# Altium PCB NG2093.PcbDoc (part 2 of 8)
Units mm, origin at the board's own origin, x right, y up, seen from the top; angles counter-clockwise.
Board outline 125 x 63 mm, 6 copper layers (Top Copper, Signal Layer 1, Signal Layer 2, Signal Layer 3, Signal Layer 4, Bottom Copper), stack 1.579 mm thick; 379 components, 295 nets, 1557 pads, 1142 vias.
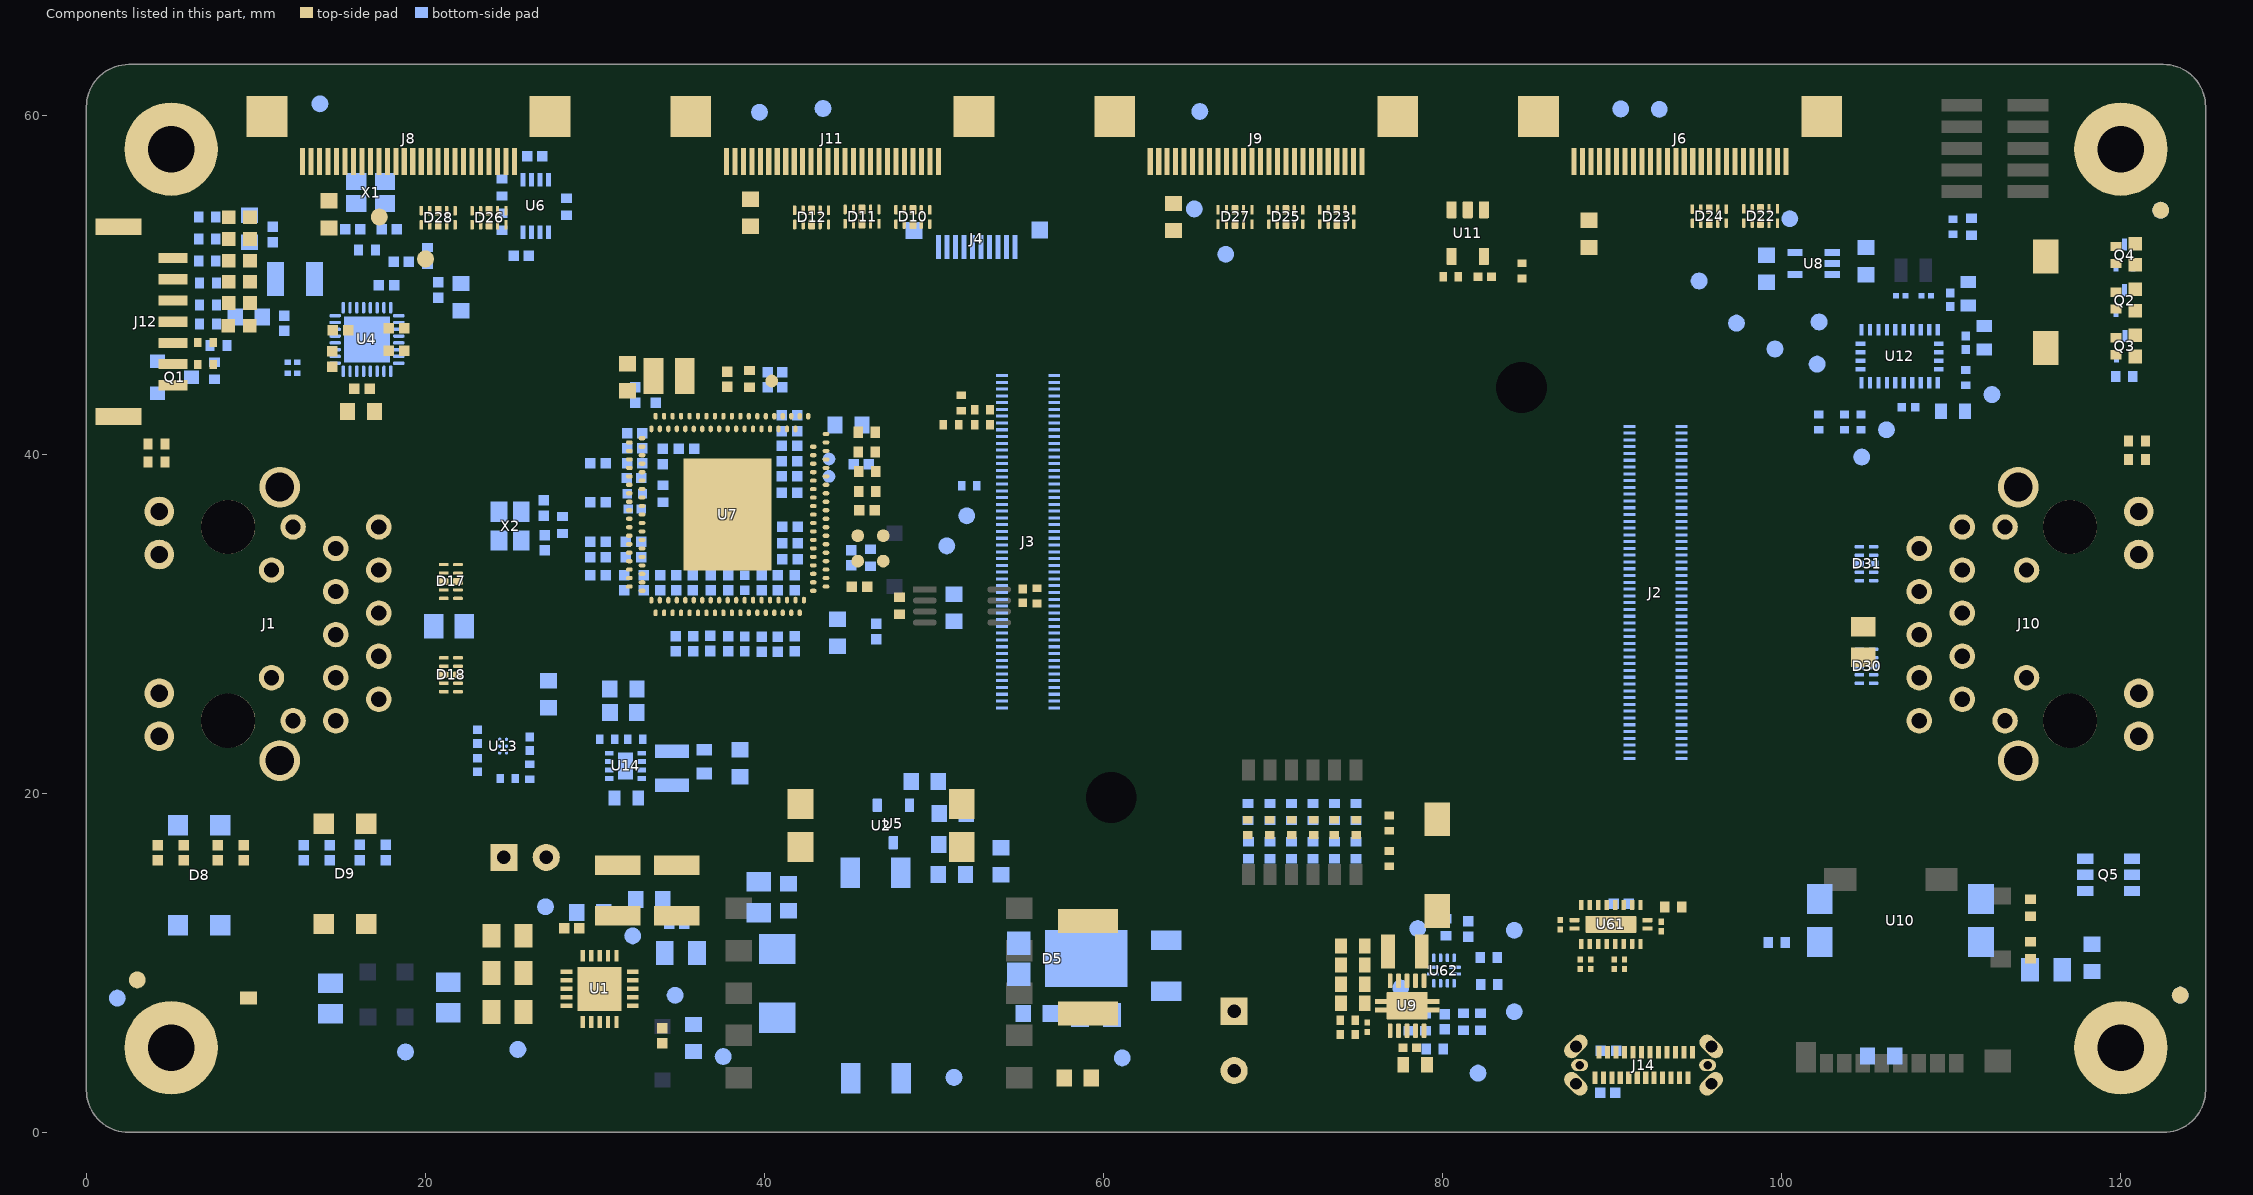
[diagram p6: the components of this part, seen from the top]

## Footprints (in the part's own frame and the unit in brackets; to place one, negate y for a bottom-side part, rotate by r counter-clockwise, add the part's x,y. Pads: shape width x height; smd on the part's side, far side on the other; paste and mask are expansions set on the pad) (continued)
AR8327N-AL1A [mm] "Seven-port Gigabit Ethernet Switch"
  oval 0.4x0.25 smd: A3(-5.8,4.25) A4(-5.8,3.75) A5(-5.8,3.25) A6(-5.8,2.75) A7(-5.8,2.25) A8(-5.8,1.75) A9(-5.8,1.25) A10(-5.8,0.75) A11(-5.8,0.25) A12(-5.8,-0.25) A13(-5.8,-0.75) A14(-5.8,-1.25) A15(-5.8,-1.75) A16(-5.8,-2.25) A17(-5.8,-2.75) A18(-5.8,-3.25) A19(-5.8,-3.75) A20(-5.8,-4.25) A47(5.8,-4.25) A48(5.8,-3.75) A49(5.8,-3.25) A50(5.8,-2.75) A51(5.8,-2.25) A52(5.8,-1.75) A53(5.8,-1.25) A54(5.8,-0.75) A55(5.8,-0.25) A56(5.8,0.25) A57(5.8,0.75) A58(5.8,1.25) A59(5.8,1.75) A60(5.8,2.25) A61(5.8,2.75) A62(5.8,3.25) A63(5.8,3.75) A64(5.8,4.25) A65(5.8,4.75) B1(-5.05,4.5) B2(-5.05,4) B3(-5.05,3.5) B4(-5.05,3) B5(-5.05,2.5) B6(-5.05,2) B7(-5.05,1.5) B8(-5.05,1) B9(-5.05,0.5) B10(-5.05,0) B11(-5.05,-0.5) B12(-5.05,-1) B13(-5.05,-1.5) B14(-5.05,-2) B15(-5.05,-2.5) B16(-5.05,-3) B17(-5.05,-3.5) B18(-5.05,-4) B19(-5.05,-4.5) B39(5.05,-4.5) B40(5.05,-4) B41(5.05,-3.5) B42(5.05,-3) B43(5.05,-2.5) B44(5.05,-2) B45(5.05,-1.5) B46(5.05,-1) B47(5.05,-0.5) B48(5.05,0) B49(5.05,0.5) B50(5.05,1) B51(5.05,1.5) B52(5.05,2) B53(5.05,2.5) B54(5.05,3) B55(5.05,3.5) B56(5.05,4)
  oval 0.25x0.4 smd: A25(-4.25,-5.8) A26(-3.75,-5.8) A27(-3.25,-5.8) A28(-2.75,-5.8) A29(-2.25,-5.8) A30(-1.75,-5.8) A31(-1.25,-5.8) A32(-0.75,-5.8) A33(-0.25,-5.8) A34(0.25,-5.8) A35(0.75,-5.8) A36(1.25,-5.8) A37(1.75,-5.8) A38(2.25,-5.8) A39(2.75,-5.8) A40(3.25,-5.8) A41(3.75,-5.8) A42(4.25,-5.8) A68(4.75,5.8) A69(4.25,5.8) A70(3.75,5.8) A71(3.25,5.8) A72(2.75,5.8) A73(2.25,5.8) A74(1.75,5.8) A75(1.25,5.8) A76(0.75,5.8) A77(0.25,5.8) A78(-0.25,5.8) A79(-0.75,5.8) A80(-1.25,5.8) A81(-1.75,5.8) A82(-2.25,5.8) A83(-2.75,5.8) A84(-3.25,5.8) A85(-3.75,5.8) A86(-4.25,5.8) B20(-4.5,-5.05) B21(-4,-5.05) B22(-3.5,-5.05) B23(-3,-5.05) B24(-2.5,-5.05) B25(-2,-5.05) B26(-1.5,-5.05) B27(-1,-5.05) B28(-0.5,-5.05) B29(0,-5.05) B30(0.5,-5.05) B31(1,-5.05) B32(1.5,-5.05) B33(2,-5.05) B34(2.5,-5.05) B35(3,-5.05) B36(3.5,-5.05) B37(4,-5.05) B38(4.5,-5.05) B59(4,5.05) B60(3.5,5.05) B61(3,5.05) B62(2.5,5.05) B63(2,5.05) B64(1.5,5.05) B65(1,5.05) B66(0.5,5.05) B67(0,5.05) B68(-0.5,5.05) B69(-1,5.05) B70(-1.5,5.05) B71(-2,5.05) B72(-2.5,5.05) B73(-3,5.05) B74(-3.5,5.05) B75(-4,5.05) B76(-4.5,5.05)
  rect 5.2x6.6 smd: TP(0,0)
  Top Copper region: 4.875,5.8 4.875,6.238 4.625,6.238 4.625,5.8
  Top Copper region: 4.375,5.8 4.375,6.238 4.125,6.238 4.125,5.8
  Top Copper region: 4.125,5.05 4.125,5.383 3.875,5.383 3.875,5.05
  Top Copper region: 3.875,5.8 3.875,6.238 3.625,6.238 3.625,5.8
  Top Copper region: 3.625,5.05 3.625,5.383 3.375,5.383 3.375,5.05
  Top Copper region: 3.375,5.8 3.375,6.238 3.125,6.238 3.125,5.8
  Top Copper region: 3.125,5.05 3.125,5.383 2.875,5.383 2.875,5.05
  Top Copper region: 2.875,5.8 2.875,6.238 2.625,6.238 2.625,5.8
  Top Copper region: 2.625,5.05 2.625,5.383 2.375,5.383 2.375,5.05
  Top Copper region: 2.375,5.8 2.375,6.238 2.125,6.238 2.125,5.8
  Top Copper region: 2.125,5.05 2.125,5.383 1.875,5.383 1.875,5.05
  Top Copper region: 1.875,5.8 1.875,6.238 1.625,6.238 1.625,5.8
  Top Copper region: 1.625,5.05 1.625,5.383 1.375,5.383 1.375,5.05
  Top Copper region: 1.375,5.8 1.375,6.238 1.125,6.238 1.125,5.8
  Top Copper region: 1.125,5.05 1.125,5.383 0.875,5.383 0.875,5.05
  Top Copper region: 0.875,5.8 0.875,6.238 0.625,6.238 0.625,5.8
  Top Copper region: 0.625,5.05 0.625,5.383 0.375,5.383 0.375,5.05
  Top Copper region: 0.375,5.8 0.375,6.238 0.125,6.238 0.125,5.8
  Top Copper region: 0.125,5.05 0.125,5.383 -0.125,5.383 -0.125,5.05
  Top Copper region: -0.125,5.8 -0.125,6.238 -0.375,6.238 -0.375,5.8
  Top Copper region: -0.375,5.05 -0.375,5.383 -0.625,5.383 -0.625,5.05
  Top Copper region: -0.625,5.8 -0.625,6.238 -0.875,6.238 -0.875,5.8
  Top Copper region: -0.875,5.05 -0.875,5.383 -1.125,5.383 -1.125,5.05
  Top Copper region: -1.125,5.8 -1.125,6.238 -1.375,6.238 -1.375,5.8
  Top Copper region: -1.375,5.05 -1.375,5.383 -1.625,5.383 -1.625,5.05
  Top Copper region: -1.625,5.8 -1.625,6.238 -1.875,6.238 -1.875,5.8
  Top Copper region: -1.875,5.05 -1.875,5.383 -2.125,5.383 -2.125,5.05
  Top Copper region: -2.125,5.8 -2.125,6.238 -2.375,6.238 -2.375,5.8
  Top Copper region: -2.375,5.05 -2.375,5.383 -2.625,5.383 -2.625,5.05
  Top Copper region: -2.625,5.8 -2.625,6.238 -2.875,6.238 -2.875,5.8
  Top Copper region: -2.875,5.05 -2.875,5.383 -3.125,5.383 -3.125,5.05
  Top Copper region: -3.125,5.8 -3.125,6.238 -3.375,6.238 -3.375,5.8
  Top Copper region: -3.375,5.05 -3.375,5.383 -3.625,5.383 -3.625,5.05
  Top Copper region: -3.625,5.8 -3.625,6.238 -3.875,6.238 -3.875,5.8
  Top Copper region: -3.875,5.05 -3.875,5.383 -4.125,5.383 -4.125,5.05
  Top Copper region: -4.125,5.8 -4.125,6.238 -4.375,6.238 -4.375,5.8
  Top Copper region: -4.375,5.05 -4.375,5.383 -4.625,5.383 -4.625,5.05
  Top Copper region: 5.8,4.625 6.238,4.625 6.238,4.875 5.8,4.875
  Top Copper region: 5.8,4.125 6.238,4.125 6.238,4.375 5.8,4.375
  Top Copper region: 5.05,3.875 5.383,3.875 5.383,4.125 5.05,4.125
  Top Copper region: 5.8,3.625 6.238,3.625 6.238,3.875 5.8,3.875
  Top Copper region: 5.05,3.375 5.383,3.375 5.383,3.625 5.05,3.625
  Top Copper region: 5.8,3.125 6.238,3.125 6.238,3.375 5.8,3.375
  Top Copper region: 5.05,2.875 5.383,2.875 5.383,3.125 5.05,3.125
  Top Copper region: 5.8,2.625 6.238,2.625 6.238,2.875 5.8,2.875
  Top Copper region: 5.05,2.375 5.383,2.375 5.383,2.625 5.05,2.625
  Top Copper region: 5.8,2.125 6.238,2.125 6.238,2.375 5.8,2.375
  Top Copper region: 5.05,1.875 5.383,1.875 5.383,2.125 5.05,2.125
  Top Copper region: 5.8,1.625 6.238,1.625 6.238,1.875 5.8,1.875
  Top Copper region: 5.05,1.375 5.383,1.375 5.383,1.625 5.05,1.625
  Top Copper region: 5.8,1.125 6.238,1.125 6.238,1.375 5.8,1.375
  Top Copper region: 5.05,0.875 5.383,0.875 5.383,1.125 5.05,1.125
  Top Copper region: 5.8,0.625 6.238,0.625 6.238,0.875 5.8,0.875
  Top Copper region: 5.05,0.375 5.383,0.375 5.383,0.625 5.05,0.625
  Top Copper region: 5.8,0.125 6.238,0.125 6.238,0.375 5.8,0.375
  Top Copper region: 5.05,-0.125 5.383,-0.125 5.383,0.125 5.05,0.125
  Top Copper region: 5.8,-0.375 6.238,-0.375 6.238,-0.125 5.8,-0.125
  Top Copper region: 5.05,-0.625 5.383,-0.625 5.383,-0.375 5.05,-0.375
  Top Copper region: 5.8,-0.875 6.238,-0.875 6.238,-0.625 5.8,-0.625
  Top Copper region: 5.05,-1.125 5.383,-1.125 5.383,-0.875 5.05,-0.875
  Top Copper region: 5.8,-1.375 6.238,-1.375 6.238,-1.125 5.8,-1.125
  Top Copper region: 5.05,-1.625 5.383,-1.625 5.383,-1.375 5.05,-1.375
  Top Copper region: 5.8,-1.875 6.238,-1.875 6.238,-1.625 5.8,-1.625
  Top Copper region: 5.05,-2.125 5.383,-2.125 5.383,-1.875 5.05,-1.875
  Top Copper region: 5.8,-2.375 6.238,-2.375 6.238,-2.125 5.8,-2.125
  Top Copper region: 5.05,-2.625 5.383,-2.625 5.383,-2.375 5.05,-2.375
  Top Copper region: 5.8,-2.875 6.238,-2.875 6.238,-2.625 5.8,-2.625
  Top Copper region: 5.05,-3.125 5.383,-3.125 5.383,-2.875 5.05,-2.875
  Top Copper region: 5.8,-3.375 6.238,-3.375 6.238,-3.125 5.8,-3.125
  Top Copper region: 5.05,-3.625 5.383,-3.625 5.383,-3.375 5.05,-3.375
  Top Copper region: 5.8,-3.875 6.238,-3.875 6.238,-3.625 5.8,-3.625
  Top Copper region: 5.05,-4.125 5.383,-4.125 5.383,-3.875 5.05,-3.875
  Top Copper region: 5.8,-4.375 6.238,-4.375 6.238,-4.125 5.8,-4.125
  Top Copper region: 5.05,-4.625 5.383,-4.625 5.383,-4.375 5.05,-4.375
  Top Copper region: 4.125,-5.8 4.125,-6.238 4.375,-6.238 4.375,-5.8
  Top Copper region: 4.375,-5.05 4.375,-5.383 4.625,-5.383 4.625,-5.05
  Top Copper region: 3.875,-5.05 3.875,-5.383 4.125,-5.383 4.125,-5.05
  Top Copper region: 3.625,-5.8 3.625,-6.238 3.875,-6.238 3.875,-5.8
  Top Copper region: 3.375,-5.05 3.375,-5.383 3.625,-5.383 3.625,-5.05
  Top Copper region: 3.125,-5.8 3.125,-6.238 3.375,-6.238 3.375,-5.8
  Top Copper region: 2.875,-5.05 2.875,-5.383 3.125,-5.383 3.125,-5.05
  Top Copper region: 2.625,-5.8 2.625,-6.238 2.875,-6.238 2.875,-5.8
  Top Copper region: 2.375,-5.05 2.375,-5.383 2.625,-5.383 2.625,-5.05
  Top Copper region: 2.125,-5.8 2.125,-6.238 2.375,-6.238 2.375,-5.8
  Top Copper region: 1.875,-5.05 1.875,-5.383 2.125,-5.383 2.125,-5.05
  Top Copper region: 1.625,-5.8 1.625,-6.238 1.875,-6.238 1.875,-5.8
  Top Copper region: 1.375,-5.05 1.375,-5.383 1.625,-5.383 1.625,-5.05
  Top Copper region: 1.125,-5.8 1.125,-6.238 1.375,-6.238 1.375,-5.8
  Top Copper region: 0.875,-5.05 0.875,-5.383 1.125,-5.383 1.125,-5.05
  Top Copper region: 0.625,-5.8 0.625,-6.238 0.875,-6.238 0.875,-5.8
  Top Copper region: 0.375,-5.05 0.375,-5.383 0.625,-5.383 0.625,-5.05
  Top Copper region: 0.125,-5.8 0.125,-6.238 0.375,-6.238 0.375,-5.8
  Top Copper region: -0.125,-5.05 -0.125,-5.383 0.125,-5.383 0.125,-5.05
  Top Copper region: -0.375,-5.8 -0.375,-6.238 -0.125,-6.238 -0.125,-5.8
  Top Copper region: -0.625,-5.05 -0.625,-5.383 -0.375,-5.383 -0.375,-5.05
  Top Copper region: -0.875,-5.8 -0.875,-6.238 -0.625,-6.238 -0.625,-5.8
  Top Copper region: -1.125,-5.05 -1.125,-5.383 -0.875,-5.383 -0.875,-5.05
  Top Copper region: -1.375,-5.8 -1.375,-6.238 -1.125,-6.238 -1.125,-5.8
  Top Copper region: -1.625,-5.05 -1.625,-5.383 -1.375,-5.383 -1.375,-5.05
  Top Copper region: -1.875,-5.8 -1.875,-6.238 -1.625,-6.238 -1.625,-5.8
  Top Copper region: -2.125,-5.05 -2.125,-5.383 -1.875,-5.383 -1.875,-5.05
  Top Copper region: -2.375,-5.8 -2.375,-6.238 -2.125,-6.238 -2.125,-5.8
  Top Copper region: -2.625,-5.05 -2.625,-5.383 -2.375,-5.383 -2.375,-5.05
  Top Copper region: -2.875,-5.8 -2.875,-6.238 -2.625,-6.238 -2.625,-5.8
  Top Copper region: -3.125,-5.05 -3.125,-5.383 -2.875,-5.383 -2.875,-5.05
  Top Copper region: -3.375,-5.8 -3.375,-6.238 -3.125,-6.238 -3.125,-5.8
  Top Copper region: -3.625,-5.05 -3.625,-5.383 -3.375,-5.383 -3.375,-5.05
  Top Copper region: -3.875,-5.8 -3.875,-6.238 -3.625,-6.238 -3.625,-5.8
  Top Copper region: -4.125,-5.05 -4.125,-5.383 -3.875,-5.383 -3.875,-5.05
  Top Copper region: -4.375,-5.8 -4.375,-6.238 -4.125,-6.238 -4.125,-5.8
  Top Copper region: -4.625,-5.05 -4.625,-5.383 -4.375,-5.383 -4.375,-5.05
  Top Copper region: -5.8,-4.125 -6.238,-4.125 -6.238,-4.375 -5.8,-4.375
  Top Copper region: -5.05,-4.375 -5.383,-4.375 -5.383,-4.625 -5.05,-4.625
  Top Copper region: -5.05,-3.875 -5.383,-3.875 -5.383,-4.125 -5.05,-4.125
  Top Copper region: -5.8,-3.625 -6.238,-3.625 -6.238,-3.875 -5.8,-3.875
  Top Copper region: -5.05,-3.375 -5.383,-3.375 -5.383,-3.625 -5.05,-3.625
  Top Copper region: -5.8,-3.125 -6.238,-3.125 -6.238,-3.375 -5.8,-3.375
  Top Copper region: -5.05,-2.875 -5.383,-2.875 -5.383,-3.125 -5.05,-3.125
  Top Copper region: -5.8,-2.625 -6.238,-2.625 -6.238,-2.875 -5.8,-2.875
  Top Copper region: -5.05,-2.375 -5.383,-2.375 -5.383,-2.625 -5.05,-2.625
  Top Copper region: -5.8,-2.125 -6.238,-2.125 -6.238,-2.375 -5.8,-2.375
  Top Copper region: -5.05,-1.875 -5.383,-1.875 -5.383,-2.125 -5.05,-2.125
  Top Copper region: -5.8,-1.625 -6.238,-1.625 -6.238,-1.875 -5.8,-1.875
  Top Copper region: -5.05,-1.375 -5.383,-1.375 -5.383,-1.625 -5.05,-1.625
  Top Copper region: -5.8,-1.125 -6.238,-1.125 -6.238,-1.375 -5.8,-1.375
  Top Copper region: -5.05,-0.875 -5.383,-0.875 -5.383,-1.125 -5.05,-1.125
  Top Copper region: -5.8,-0.625 -6.238,-0.625 -6.238,-0.875 -5.8,-0.875
  Top Copper region: -5.05,-0.375 -5.383,-0.375 -5.383,-0.625 -5.05,-0.625
  Top Copper region: -5.8,-0.125 -6.238,-0.125 -6.238,-0.375 -5.8,-0.375
  Top Copper region: -5.05,0.125 -5.383,0.125 -5.383,-0.125 -5.05,-0.125
  Top Copper region: -5.8,0.375 -6.238,0.375 -6.238,0.125 -5.8,0.125
  Top Copper region: -5.05,0.625 -5.383,0.625 -5.383,0.375 -5.05,0.375
  Top Copper region: -5.8,0.875 -6.238,0.875 -6.238,0.625 -5.8,0.625
  Top Copper region: -5.05,1.125 -5.383,1.125 -5.383,0.875 -5.05,0.875
  Top Copper region: -5.8,1.375 -6.238,1.375 -6.238,1.125 -5.8,1.125
  Top Copper region: -5.05,1.625 -5.383,1.625 -5.383,1.375 -5.05,1.375
  Top Copper region: -5.8,1.875 -6.238,1.875 -6.238,1.625 -5.8,1.625
  Top Copper region: -5.05,2.125 -5.383,2.125 -5.383,1.875 -5.05,1.875
  Top Copper region: -5.8,2.375 -6.238,2.375 -6.238,2.125 -5.8,2.125
  Top Copper region: -5.05,2.625 -5.383,2.625 -5.383,2.375 -5.05,2.375
  Top Copper region: -5.8,2.875 -6.238,2.875 -6.238,2.625 -5.8,2.625
  Top Copper region: -5.05,3.125 -5.383,3.125 -5.383,2.875 -5.05,2.875
  Top Copper region: -5.8,3.375 -6.238,3.375 -6.238,3.125 -5.8,3.125
  Top Copper region: -5.05,3.625 -5.383,3.625 -5.383,3.375 -5.05,3.375
  Top Copper region: -5.8,3.875 -6.238,3.875 -6.238,3.625 -5.8,3.625
  Top Copper region: -5.05,4.125 -5.383,4.125 -5.383,3.875 -5.05,3.875
  Top Copper region: -5.8,4.375 -6.238,4.375 -6.238,4.125 -5.8,4.125
  Top Copper region: -5.05,4.625 -5.383,4.625 -5.383,4.375 -5.05,4.375
  silkscreen extent -7.22,4.85 -6.98,5.1, body extent -6.05,-6.05 6.05,6.05, height 0.9
BK1608HS800-T_N [mm] "Chip Inductor, 2-Leads, Body 1.60x0.80mm, IPC Medium Density"
  rect 0.92x0.98 smd: 1(-0.79,0) 2(0.79,0)
  body extent -0.88,-0.48 0.87,0.47, height 0.95
BNO085 [mm] "28-TFLGA Module (5.2x3.8)"
  rect 0.675x0.25 smd paste+0 mask+0: 1(1.562,2.25) 6(-1.562,2.25) 7(-1.562,1.75) 8(-1.562,1.25) 9(-1.562,0.75) 10(-1.562,0.25) 11(-1.562,-0.25) 12(-1.562,-0.75) 13(-1.562,-1.25) 14(-1.562,-1.75) 15(-1.562,-2.25) 20(1.562,-2.25) 21(1.562,-1.75) 22(1.562,-1.25) 23(1.562,-0.75) 24(1.562,-0.25) 25(1.562,0.25) 26(1.562,0.75) 27(1.562,1.25) 28(1.562,1.75)
  rect 0.25x0.575 smd paste+0 mask+0: 2(0.75,2.312) 3(0.25,2.312) 4(-0.25,2.312) 5(-0.75,2.312) 16(-0.75,-2.312) 17(-0.25,-2.312) 18(0.25,-2.312) 19(0.75,-2.312)
  silkscreen extent -2.3,-3.08 3.05,3.08, body extent -1.9,-2.6 1.9,2.6, height 1.18
CAPC0201(0603)33_L [mm] "Chip Capacitor, Body 0.6x0.3mm, Height 0.33mm, IPC High Density"
  rect 0.36x0.32 smd: 1(-0.28,0) 2(0.28,0)
  body extent -0.32,-0.17 0.32,0.17, height 0.33
CAPC0402(1005)60_N [mm] "Chip Capacitor, Body 1.0x0.5mm, Height 0.6mm, IPC Medium Density"
  rect 0.62x0.62 smd: 1(-0.45,0) 2(0.45,0)
  body extent -0.55,-0.3 0.55,0.3, height 0.6
CAPC0402(1005)70_L [mm] "Chip Capacitor, Body 1.0x0.5mm, Height 0.7mm, IPC High Density"
  rect 0.52x0.52 smd: 1(-0.4,0) 2(0.4,0)
  body extent -0.55,-0.3 0.55,0.3, height 0.7
CAPC0402(1005)70_N [mm] "Chip Capacitor, Body 1.0x0.5mm, Height 0.7mm, IPC Medium Density"
  rect 0.62x0.62 smd: 1(-0.45,0) 2(0.45,0)
  body extent -0.55,-0.3 0.55,0.3, height 0.7
CAPC0603(1608)100_L [mm] "Chip Capacitor, Body 1.6x0.8mm, Height 1.0mm, IPC High Density"
  rect 0.7x0.9 smd: 1(-0.7,0) 2(0.7,0)
  silkscreen extent -0.05,-0.35 0.05,0.35, body extent -0.87,-0.47 0.88,0.48, height 1
CAPC0603(1608)100_N [mm] "Chip Capacitor, Body 1.6x0.8mm, Height 1.0mm, IPC Medium Density"
  rect 0.9x1 smd: 1(-0.8,0) 2(0.8,0)
  silkscreen extent -0.05,-0.4 0.05,0.4, body extent -0.87,-0.48 0.88,0.47, height 1
CAPC0805(2012)145_N [mm] "Chip Capacitor, Body 2.0x1.2mm, Height 1.45mm, IPC Medium Density"
  rect 1.15x1.45 smd: 1(-0.9,0) 2(0.9,0)
  silkscreen extent -0.05,-0.62 0.05,0.63, body extent -1.1,-0.72 1.1,0.73, height 1.45
CAPC1005X55X25LL05T10 [mm] "Chip Capacitor, 2-Leads, Body 1.05x0.55mm, IPC High Density"
  rect 0.56x0.52 smd: 1(-0.39,0) 2(0.39,0)
  body extent -0.53,-0.28 0.53,0.28, height 0.55
CAPC1206(3216)190_N [mm] "Chip Capacitor, Body 3.2x1.6mm, Height 1.9mm, IPC Medium Density"
  rect 1.15x1.8 smd: 1(-1.5,0) 2(1.5,0)
  silkscreen extent -0.55,-0.8 0.55,0.8, body extent -1.7,-0.9 1.7,0.9, height 1.9
CAPC1210(3225)280_N [mm] "Chip Capacitor, Body 3.2x2.5mm, Height 2.8mm, IPC Medium Density"
  rect 1.15x2.7 smd: 1(-1.5,0) 2(1.5,0)
  silkscreen extent -0.55,-1.25 0.55,1.25, body extent -1.7,-1.4 1.7,1.4, height 2.8
CBTL02043A [mm] "VQFN-20"
  rrect20% 0.25x0.6 smd mask+0.07: 1(-0.25,2.15) 10(-0.25,-2.15) 11(0.25,-2.15) 20(0.25,2.15)
  rrect20% 0.6x0.25 smd mask+0.07: 2(-1.15,1.75) 3(-1.15,1.25) 4(-1.15,0.75) 5(-1.15,0.25) 6(-1.15,-0.25) 7(-1.15,-0.75) 8(-1.15,-1.25) 9(-1.15,-1.75) 12(1.15,-1.75) 13(1.15,-1.25) 14(1.15,-0.75) 15(1.15,-0.25) 16(1.15,0.25) 17(1.15,0.75) 18(1.15,1.25) 19(1.15,1.75)
  rrect10% 1x3 smd paste-3 mask+0.07: 21(0,0)
  silkscreen extent -1.25,-2.25 1.25,2.53, body extent -1.25,-2.25 1.25,2.25, height 1
CON_A_BW2099_SoM_DF40HC-3.0-100DS-0.4V_minpad [mm] "3.0MM MATED HEIGHT CONN HDR 100POS 0.4MM SMD GOLD"
  rect 0.7x0.18 smd: 1(-19.04,-9.8) 2(-15.96,-9.8) 3(-19.04,-9.4) 4(-15.96,-9.4) 5(-19.04,-9) 6(-15.96,-9) 7(-19.04,-8.6) 8(-15.96,-8.6) 9(-19.04,-8.2) 10(-15.96,-8.2) 11(-19.04,-7.8) 12(-15.96,-7.8) 13(-19.04,-7.4) 14(-15.96,-7.4) 15(-19.04,-7) 16(-15.96,-7) 17(-19.04,-6.6) 18(-15.96,-6.6) 19(-19.04,-6.2) 20(-15.96,-6.2) 21(-19.04,-5.8) 22(-15.96,-5.8) 23(-19.04,-5.4) 24(-15.96,-5.4) 25(-19.04,-5) 26(-15.96,-5) 27(-19.04,-4.6) 28(-15.96,-4.6) 29(-19.04,-4.2) 30(-15.96,-4.2) 31(-19.04,-3.8) 32(-15.96,-3.8) 33(-19.04,-3.4) 34(-15.96,-3.4) 35(-19.04,-3) 36(-15.96,-3) 37(-19.04,-2.6) 38(-15.96,-2.6) 39(-19.04,-2.2) 40(-15.96,-2.2) 41(-19.04,-1.8) 42(-15.96,-1.8) 43(-19.04,-1.4) 44(-15.96,-1.4) 45(-19.04,-1) 46(-15.96,-1) 47(-19.04,-0.6) 48(-15.96,-0.6) 49(-19.04,-0.2) 50(-15.96,-0.2) 51(-19.04,0.2) 52(-15.96,0.2) 53(-19.04,0.6) 54(-15.96,0.6) 55(-19.04,1) 56(-15.96,1) 57(-19.04,1.4) 58(-15.96,1.4) 59(-19.04,1.8) 60(-15.96,1.8) 61(-19.04,2.2) 62(-15.96,2.2) 63(-19.04,2.6) 64(-15.96,2.6) 65(-19.04,3) 66(-15.96,3) 67(-19.04,3.4) 68(-15.96,3.4) 69(-19.04,3.8) 70(-15.96,3.8) 71(-19.04,4.2) 72(-15.96,4.2) 73(-19.04,4.6) 74(-15.96,4.6) 75(-19.04,5) 76(-15.96,5) 77(-19.04,5.4) 78(-15.96,5.4) 79(-19.04,5.8) 80(-15.96,5.8) 81(-19.04,6.2) 82(-15.96,6.2) 83(-19.04,6.6) 84(-15.96,6.6) 85(-19.04,7) 86(-15.96,7) 87(-19.04,7.4) 88(-15.96,7.4) 89(-19.04,7.8) 90(-15.96,7.8) 91(-19.04,8.2) 92(-15.96,8.2) 93(-19.04,8.6) 94(-15.96,8.6) 95(-19.04,9) 96(-15.96,9) 97(-19.04,9.4) 98(-15.96,9.4) 99(-19.04,9.8) 100(-15.96,9.8)
  silkscreen extent -22.53,-15 -16.85,15.03, body extent -19.19,-11.3 -15.81,11.3, height 2.85
CON_B_BW2099_SoM_DF40HC-3.0-100DS-0.4V_minpad [mm] "3.0MM MATED HEIGHT CONN HDR 100POS 0.4MM SMD GOLD"
  rect 0.7x0.18 smd: 1(17.96,-6.8) 2(21.04,-6.8) 3(17.96,-6.4) 4(21.04,-6.4) 5(17.96,-6) 6(21.04,-6) 7(17.96,-5.6) 8(21.04,-5.6) 9(17.96,-5.2) 10(21.04,-5.2) 11(17.96,-4.8) 12(21.04,-4.8) 13(17.96,-4.4) 14(21.04,-4.4) 15(17.96,-4) 16(21.04,-4) 17(17.96,-3.6) 18(21.04,-3.6) 19(17.96,-3.2) 20(21.04,-3.2) 21(17.96,-2.8) 22(21.04,-2.8) 23(17.96,-2.4) 24(21.04,-2.4) 25(17.96,-2) 26(21.04,-2) 27(17.96,-1.6) 28(21.04,-1.6) 29(17.96,-1.2) 30(21.04,-1.2) 31(17.96,-0.8) 32(21.04,-0.8) 33(17.96,-0.4) 34(21.04,-0.4) 35(17.96,0) 36(21.04,0) 37(17.96,0.4) 38(21.04,0.4) 39(17.96,0.8) 40(21.04,0.8) 41(17.96,1.2) 42(21.04,1.2) 43(17.96,1.6) 44(21.04,1.6) 45(17.96,2) 46(21.04,2) 47(17.96,2.4) 48(21.04,2.4) 49(17.96,2.8) 50(21.04,2.8) 51(17.96,3.2) 52(21.04,3.2) 53(17.96,3.6) 54(21.04,3.6) 55(17.96,4) 56(21.04,4) 57(17.96,4.4) 58(21.04,4.4) 59(17.96,4.8) 60(21.04,4.8) 61(17.96,5.2) 62(21.04,5.2) 63(17.96,5.6) 64(21.04,5.6) 65(17.96,6) 66(21.04,6) 67(17.96,6.4) 68(21.04,6.4) 69(17.96,6.8) 70(21.04,6.8) 71(17.96,7.2) 72(21.04,7.2) 73(17.96,7.6) 74(21.04,7.6) 75(17.96,8) 76(21.04,8) 77(17.96,8.4) 78(21.04,8.4) 79(17.96,8.8) 80(21.04,8.8) 81(17.96,9.2) 82(21.04,9.2) 83(17.96,9.6) 84(21.04,9.6) 85(17.96,10) 86(21.04,10) 87(17.96,10.4) 88(21.04,10.4) 89(17.96,10.8) 90(21.04,10.8) 91(17.96,11.2) 92(21.04,11.2) 93(17.96,11.6) 94(21.04,11.6) 95(17.96,12) 96(21.04,12) 97(17.96,12.4) 98(21.04,12.4) 99(17.96,12.8) 100(21.04,12.8)
  silkscreen extent 16.75,-7.88 22.53,15, body extent 17.81,-8.3 21.19,14.3, height 2.85
CX80B1-24P [mm] "USB3.1 Type-C Molex SMT, Through Hole, Vertical"
  rect 0.3x0.75 smd: A1(-2.625,0.755) A2(-2.125,0.755) A3(-1.625,0.755) A4(-1.125,0.755) A5(-0.625,0.755) A6(-0.125,0.755) A7(0.375,0.755) A8(0.875,0.755) A9(1.375,0.755) A10(1.875,0.755) A11(2.375,0.755) A12(2.875,0.755) B1(2.625,-0.755) B2(2.125,-0.755) B3(1.625,-0.755) B4(1.125,-0.755) B5(0.625,-0.755) B6(0.125,-0.755) B7(-0.375,-0.755) B8(-0.875,-0.755) B9(-1.375,-0.755) B10(-1.875,-0.755) B11(-2.375,-0.755) B12(-2.875,-0.755)
  oval 1.6x0.9 hole 0.7 slot 1.3 at 45 deg rot 45: SH1(-3.995,1.1) SH4(3.995,-1.1)
  oval 1.6x0.9 hole 0.7 slot 1.3 at 135 deg rot 135: SH2(3.995,1.1) SH3(-3.995,-1.1)
  oval 1x0.7 hole 0.5 slot 0.7 at 0 deg: SH5(-3.775,0) SH6(3.775,0)
  Top Copper region: -3.32,1.874 -3.315,1.874 -3.309,1.873 -3.304,1.872 -3.299,1.871 -3.294,1.87 -3.289,1.868 -3.284,1.866 -3.28,1.864 -3.275,1.861 -3.271,1.858 -3.266,1.855 -3.262,1.852 -3.258,1.849 -3.254,1.845 -3.251,1.841 -3.247,1.837 -3.244,1.833 -3.241,1.829 -3.238,1.825 -3.236,1.82 -3.234,1.815 -3.232,1.81 -3.23,1.805 -3.228,1.8 -3.227,1.795 -3.226,1.79 -3.226,1.785 -3.225,1.78 -3.225,1.775 -3.225,-1.775 -3.225,-1.781 -3.226,-1.786 -3.226,-1.791 -3.227,-1.796 -3.228,-1.801 -3.23,-1.806 -3.232,-1.811 -3.234,-1.816 -3.236,-1.821 -3.238,-1.825 -3.241,-1.83 -3.244,-1.834 -3.247,-1.838 -3.251,-1.842 -3.254,-1.846 -3.258,-1.85 -3.262,-1.853 -3.266,-1.856 -3.271,-1.859 -3.275,-1.862 -3.28,-1.865 -3.284,-1.867 -3.289,-1.869 -3.294,-1.871 -3.299,-1.872 -3.304,-1.873 -3.309,-1.874 -3.315,-1.875 -3.32,-1.875 -3.325,-1.875 -3.775,-1.875 -3.827,-1.874 -3.88,-1.87 -3.931,-1.863 -3.983,-1.854 -4.034,-1.841 -4.084,-1.827 -4.133,-1.809 -4.182,-1.789 -4.229,-1.766 -4.275,-1.742 -4.32,-1.714 -4.363,-1.685 -4.404,-1.653 -4.444,-1.619 -4.482,-1.583 -4.518,-1.545 -4.552,-1.505 -4.584,-1.463 -4.614,-1.42 -4.641,-1.375 -4.666,-1.329 -4.689,-1.282 -4.709,-1.234 -4.726,-1.185 -4.741,-1.134 -4.753,-1.083 -4.763,-1.032 -4.77,-0.98 -4.774,-0.928 -4.775,-0.875 -4.775,0.875 -4.774,0.927 -4.77,0.979 -4.763,1.031 -4.753,1.082 -4.741,1.133 -4.726,1.184 -4.709,1.233 -4.689,1.281 -4.666,1.329 -4.641,1.375 -4.614,1.419 -4.584,1.462 -4.552,1.504 -4.518,1.544 -4.482,1.582 -4.444,1.618 -4.404,1.652 -4.363,1.684 -4.32,1.713 -4.275,1.741 -4.229,1.766 -4.182,1.788 -4.133,1.808 -4.084,1.826 -4.034,1.84 -3.983,1.853 -3.931,1.862 -3.88,1.869 -3.827,1.873 -3.775,1.875 -3.325,1.875